# KiCad board mezi_panel.kicad_pcb (continued)
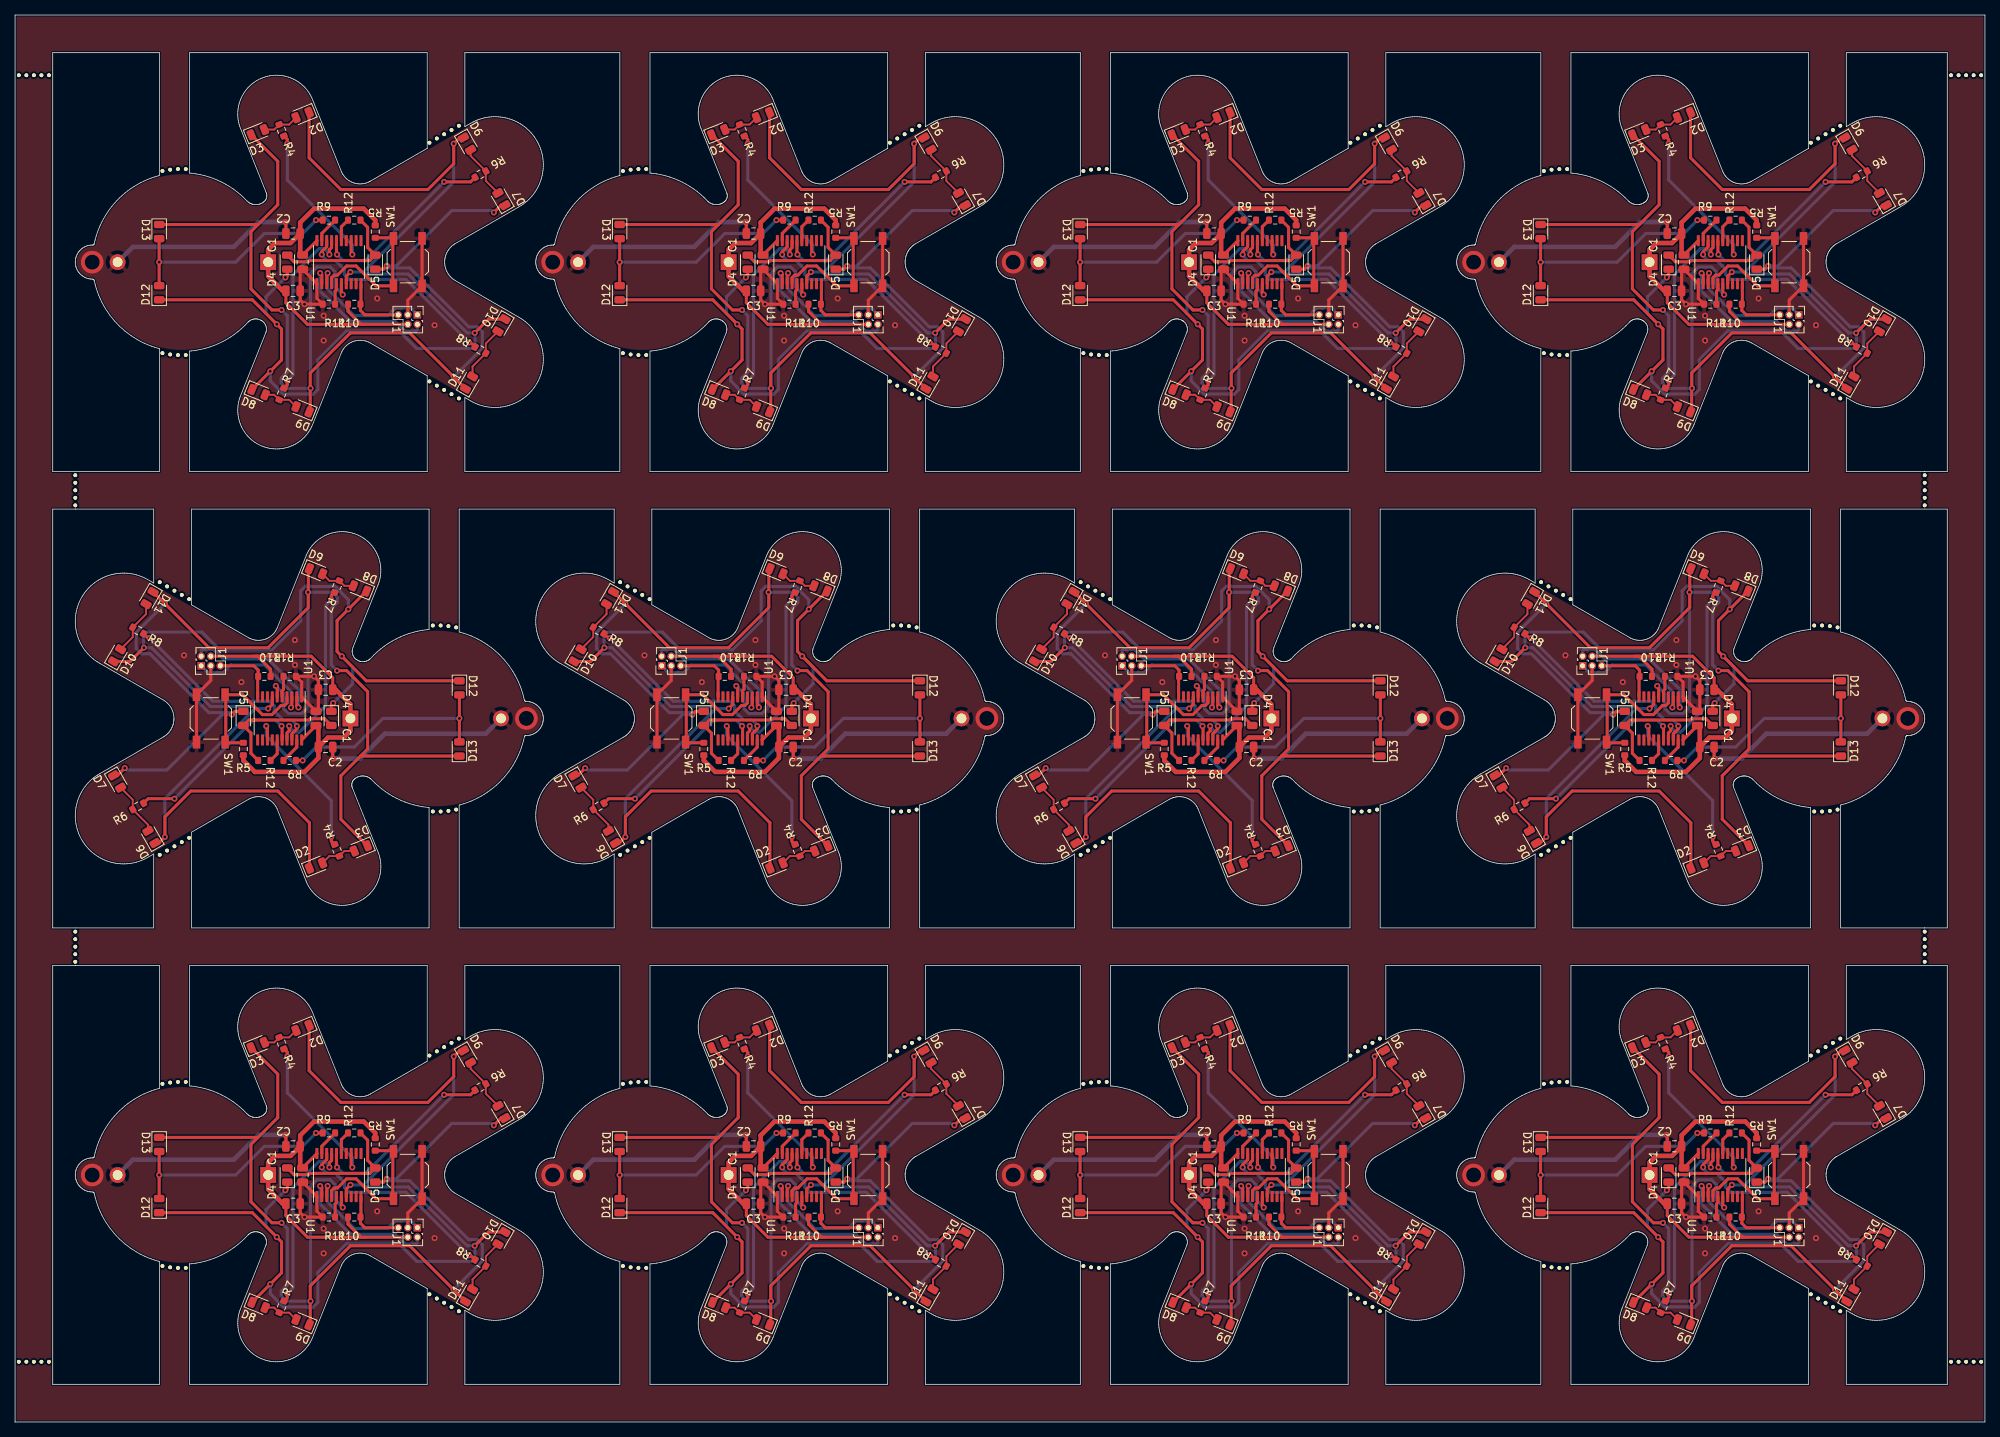
[diagram p0: board, top side]
## Routing (per net, layer and track width the routed paths; a pad name or vN(x,y) marks a point on that pad's centre or on a via; arc(x,y) is an arc through that point) (continued)
Board_11-/nRST: length 8.8
  Top w0.406: J1#9.5 229.91,25.82 229.33,26.4 R10#2.2 229.4,27.3 U1#7.10
Board_11-/SWC: length 17.8
  Top w0.406: v1(224.97,31.37) 224.85,31.24 U1#7.3
  Bottom w0.406: v1(224.97,31.37) 224.97,29.24 228.5,25.71 232.96,25.71 233.98,26.73 236,26.73 236.89,25.83 J1#9.1
Board_11-/SWD: length 19.8
  Top w0.406: 224,31.36 v1(223.97,31.36) 224.2,31.14 U1#7.2
  Bottom w0.406: v1(223.97,31.36) 223.97,28.97 228,24.94 233.95,24.94 235.25,23.65 236.7,23.65 236.89,23.85 J1#9.2
Board_11-GND: length 50
  Top w0.406: 219.43,38.09 v1(219.36,38.15) ; J1#9.3 235.62,27.77 SW1#6.2 SW1#6.2 ; C2#3.2 219.43,37.96 ; C3#7.2 221.33,31.55 C1#4.1 223.55,29.97 U1#7.1 223.55,28 R11#6.1 v1(221.9,27.23) 221.33,27.8 C3#7.2
  Bottom w0.61: BT1#11.2 199.11,34.85 212.5,34.85 215.8,38.15 v1(219.36,38.15)
  vias: v1(224.44,25.71) v1(224.44,22.4) v1(231.55,27.99) v1(239.17,24.44) v2(193.71,32.82)
Board_11-Net-(D2-A): length 4.9
  Top w0.25: D2#6.2 219.86,51.11 R4#8.1 217.88,50.44 D3#6.2
Board_11-Net-(D4-A): length 17.9
  Top w0.406: R5#12.1 230.28,37.45 230.28,34.77 D5#4.2 230.57,33.03 222.57,33.03 222.4,32.86 220.51,32.86 D4#10.2
Board_11-Net-(D6-A): length 7.2
  Top w0.25: D6#12.2 243.96,46.94 R6#12.1 245.98,43.62 D7#8.2
Board_11-Net-(D8-A): length 4.8
  Top w0.25: D8#5.2 217.88,15.19 R7#10.1 219.86,14.53 D9#2.2
Board_11-Net-(D10-A): length 7.4
  Top w0.25: D10#12.2 245.98,22.01 R8.1 244.21,18.95 D11#8.2
Board_11-Net-(D12-A): length 30.3
  Top w0.406: D13#10.2 v1(202.6,32.82) D12#6.2 ; R9#7.1 v1(223.42,38.41)
  Bottom w0.406: v1(223.42,38.41) 221.65,36.63 216.57,36.63 212.76,32.82 v1(202.6,32.82)
Board_11-Net-(SW1A-A): length 19.6
  Top w0.406: U1#7.4 225.5,30.76 225.84,31.1 226.28,31.1 227.49,32.31 228.76,32.31 231.4,29.67 SW1#6.1 233.63,29.76 233.63,35.88 SW1#6.1 233.63,36.06 R12#10.1
Board_11-Net-(U1-PB6/PF4-BOOT0): length 2.8
  Top w0.406: R11#6.2 225.96,28.97 226.15,29.15 U1#7.5
Board_11-VCC: length 54
  Top w0.406: J1#9.4 222.29,24.55 219.43,27.42 C3#7.1 ; C1#4.2 223.55,35.67 U1#7.20 ; R10#2.1 227.68,26.28 229.4,24.55 230.03,24.55
  Top w0.61: R12#10.2 231.3,38.41 229.77,39.93 223.17,39.93 221.33,38.09 C2#3.1 ; C2#3.1 221.33,34.09 C1#4.2 ; C2#3.1 220.06,35.36 217.96,35.36 217.07,34.48 BT1#11.1 217.07,30.95 219.01,29.01 C3#7.1

## Copper pours and planes (outline as drawn; the poured copper is in the pictures)
(no net) on Top: 0,0 261.61,0 261.61,186.98 0,186.98 ; 12 cut-outs
(no net) on Top: 0,0 261.61,0 261.61,186.98 0,186.98 ; 12 cut-outs
(no net) on Bottom: 0,0 261.61,0 261.61,186.98 0,186.98 ; 12 cut-outs
(no net) on Bottom: 0,0 261.61,0 261.61,186.98 0,186.98 ; 12 cut-outs
Board_0-GND on Top, Bottom: 1.1,123.32 1.1,183.32 81.1,183.32 81.1,123.32
Board_1-GND on Top, Bottom: 62.26,123.32 62.26,183.32 142.26,183.32 142.26,123.32
Board_2-GND on Top, Bottom: 123.41,123.32 123.41,183.32 203.41,183.32 203.41,123.32
Board_3-GND on Top, Bottom: 184.56,123.32 184.56,183.32 264.56,183.32 264.56,123.32
Board_4-GND on Top, Bottom: 77.05,124.31 77.05,64.31 -2.95,64.31 -2.95,124.31
Board_5-GND on Top, Bottom: 138.2,124.31 138.2,64.31 58.2,64.31 58.2,124.31
Board_6-GND on Top, Bottom: 199.36,124.31 199.36,64.31 119.36,64.31 119.36,124.31
Board_7-GND on Top, Bottom: 260.51,124.31 260.51,64.31 180.51,64.31 180.51,124.31
Board_8-GND on Top, Bottom: 1.1,2.01 1.1,62.01 81.1,62.01 81.1,2.01
Board_9-GND on Top, Bottom: 62.26,2.01 62.26,62.01 142.26,62.01 142.26,2.01
Board_10-GND on Top, Bottom: 123.41,2.01 123.41,62.01 203.41,62.01 203.41,2.01
Board_11-GND on Top, Bottom: 184.56,2.01 184.56,62.01 264.56,62.01 264.56,2.01

## Text on the board
B.Silkscreen: Warranty void if / you can read this. | Vesztettem | PCB by Olivér & Kristóf
